# KiCad board radioboard_original.kicad_pcb (continued)
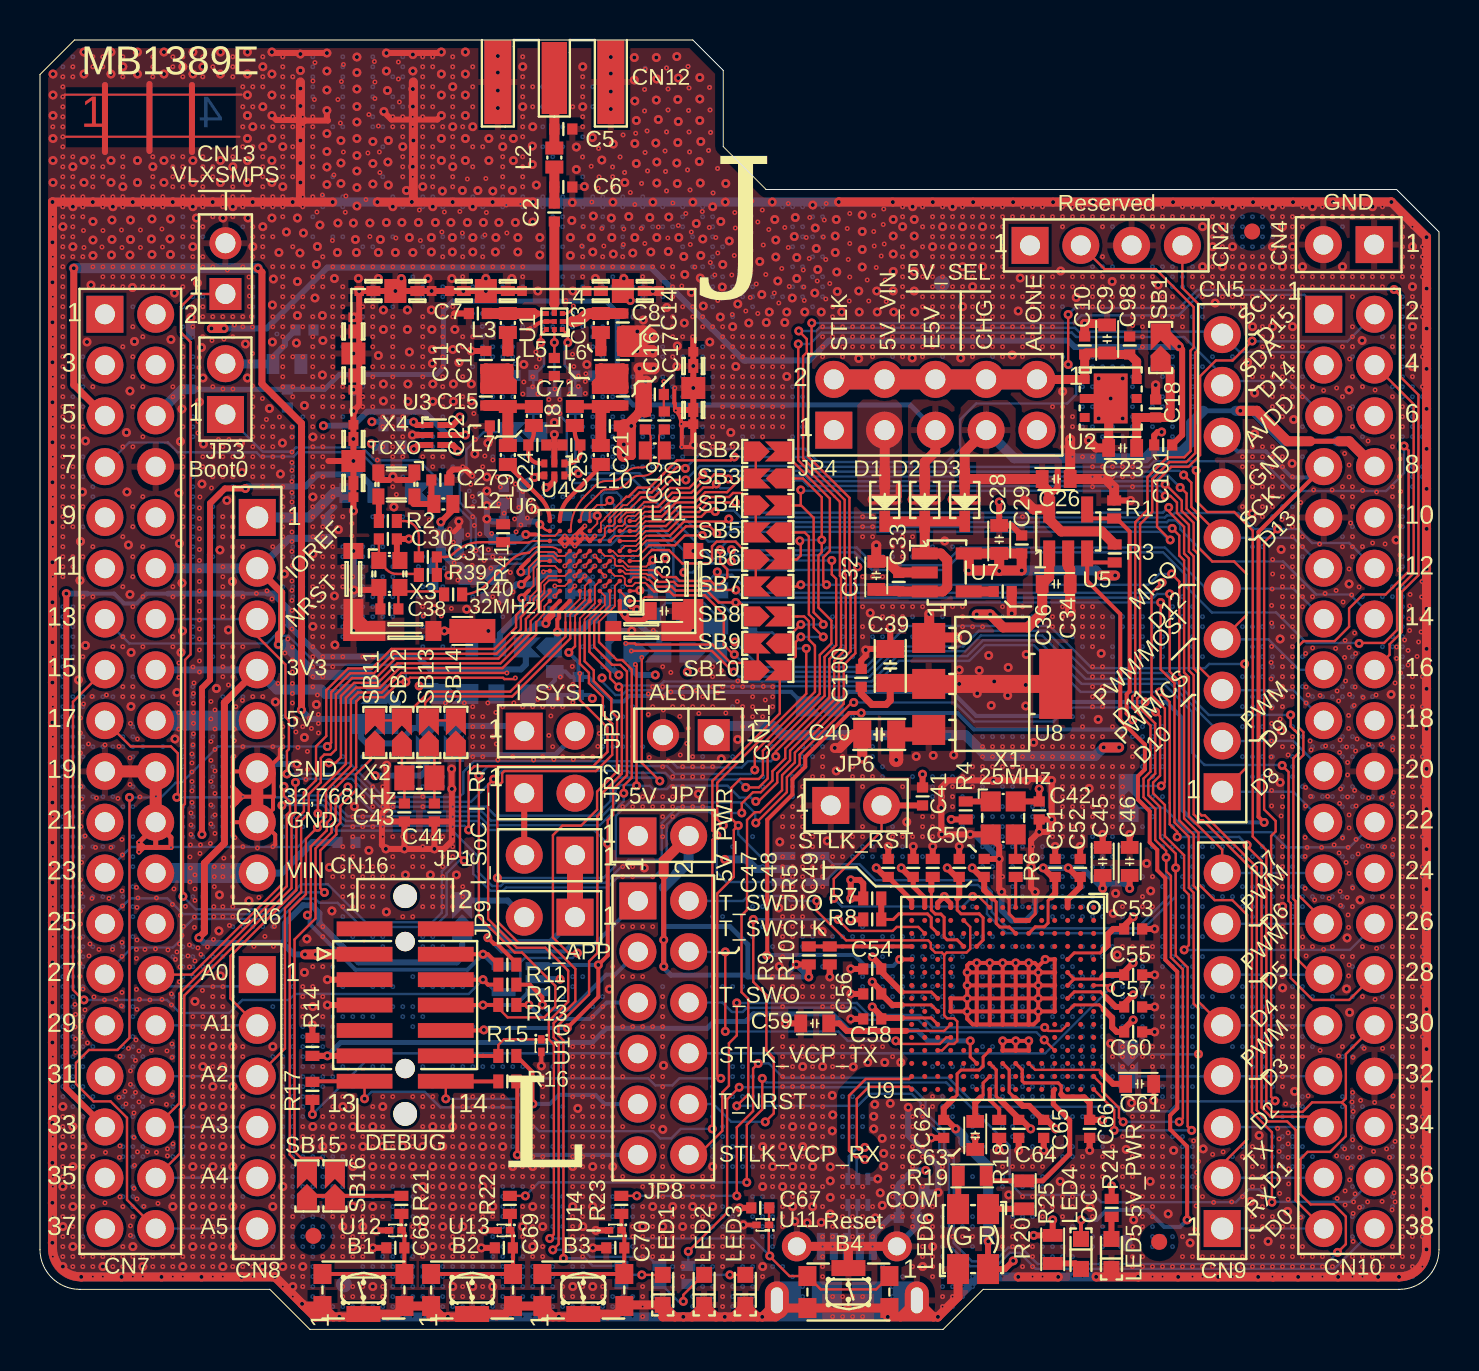
[diagram p0: board, top side]
## Routing (per net, layer and track width the routed paths; a pad name or vN(x,y) marks a point on that pad's centre or on a via; arc(x,y) is an arc through that point) (continued)
v3(1.64,7.64) v3(1.64,7.14) v3(1.64,6.64) v3(1.64,5.64) v3(1.64,5.14) v3(1.64,4.64) v3(1.64,3.64) v3(1.64,3.14) v3(2.14,56.64) v3(2.14,56.14) v3(2.14,55.64) v3(2.14,53.64) v3(2.14,48.64) v3(2.14,47.64) v3(2.14,47.14) v3(2.14,46.64) v3(2.14,46.14) v3(2.14,45.14) v3(2.14,43.64) v3(2.14,42.64) v3(2.14,41.14) v3(2.14,40.14) v3(2.14,38.64) v3(2.14,36.14) v3(2.14,33.64) v3(2.14,31.64) v3(2.14,31.14) v3(2.14,29.64) v3(2.14,29.14) v3(2.14,28.64) v3(2.14,27.14) v3(2.14,26.64) v3(2.14,26.14) v3(2.14,24.64) v3(2.14,24.14) v3(2.14,23.64) v3(2.14,22.14) v3(2.14,21.64) v3(2.14,21.14) v3(2.14,19.64) v3(2.14,19.14) v3(2.14,18.64) v3(2.14,18.14) v3(2.14,17.14) v3(2.14,15.64) v3(2.14,14.64) v3(2.14,14.14) v3(2.14,13.64) v3(2.14,13.14) v3(2.14,12.14) v3(2.14,11.64) v3(2.14,11.14) v3(2.14,10.64) v3(2.14,9.64) v3(2.14,8.64) v3(2.14,8.14) v3(2.14,7.14) v3(2.14,6.64) v3(2.14,6.14) v3(2.14,5.64) v3(2.14,4.64) v3(2.14,4.14) v3(2.14,3.64) v3(2.14,3.14) v3(2.64,63.64) v3(2.64,63.14) v3(2.64,58.64) v3(2.64,58.14) v3(2.64,57.64) v3(2.64,57.14) v3(2.64,47.14) v3(2.64,42.14) v3(2.64,41.64) v3(2.64,39.14) v3(2.64,31.64) v3(2.64,29.14) v3(2.64,26.64) v3(2.64,24.14) v3(2.64,21.64) v3(2.64,19.14) v3(2.64,14.14) v3(2.64,11.64) v3(2.64,11.14) v3(2.64,8.64) v3(2.64,6.14) v3(2.64,3.64) v3(2.64,3.14) v3(2.64,2.64) v3(3.14,63.64) v3(3.14,63.14) v3(3.14,58.14) v3(3.14,57.64) v3(3.14,56.64) v3(3.14,56.14) v3(3.14,52.14) v3(3.14,31.64) v3(3.14,29.14) v3(3.14,26.64) v3(3.14,24.14) v3(3.14,21.64) v3(3.14,3.64) v3(3.14,2.64) v3(3.64,56.64) v3(3.64,52.14) v3(3.64,34.14) v3(3.64,31.64) v3(3.64,29.14) v3(3.64,26.64) v3(3.64,24.14) v3(3.64,21.64) v3(3.64,19.14) v3(3.64,3.64) v3(3.64,3.14) v3(4.14,63.64) v3(4.14,62.64) v3(4.14,58.64) v3(4.14,58.14) v3(4.14,57.64) v3(4.14,56.64) v3(4.14,56.14) v3(4.14,52.14) v3(4.14,49.14) v3(4.14,39.64) v3(4.14,37.14) v3(4.14,34.14) v3(4.14,32.14) v3(4.14,31.64) v3(4.14,29.64) v3(4.14,29.14) v3(4.14,26.14) v3(4.14,21.64) v3(4.14,19.14) v3(4.14,16.14) v3(4.14,14.14) v3(4.14,13.64) v3(4.14,11.64) v3(4.14,11.14) v3(4.14,9.14) v3(4.14,8.64) v3(4.14,6.64) v3(4.14,6.14) v3(4.14,4.14) v3(4.14,3.64) v3(4.14,3.14) v3(4.64,51.14) v3(4.64,50.14) v3(4.64,48.64) v3(4.64,47.64) v3(4.64,46.14) v3(4.64,41.14) v3(4.64,40.14) v3(4.64,38.64) v3(4.64,37.64) v3(4.64,32.64) v3(4.64,32.14) v3(4.64,31.64) v3(4.64,30.14) v3(4.64,29.64) v3(4.64,29.14) v3(4.64,28.64) v3(4.64,27.14) v3(4.64,26.14) v3(4.64,24.64) v3(4.64,23.64) v3(4.64,23.14) v3(4.64,22.14) v3(4.64,21.14) v3(4.64,20.64) v3(4.64,19.64) v3(4.64,16.14) v3(4.64,15.64) v3(4.64,14.64) v3(4.64,14.14) v3(4.64,13.64) v3(4.64,13.14) v3(4.64,12.14) v3(4.64,11.64) v3(4.64,11.14) v3(4.64,10.64) v3(4.64,9.64) v3(4.64,9.14) v3(4.64,8.64) v3(4.64,8.14) v3(4.64,7.14) v3(4.64,6.64) v3(4.64,6.14) v3(4.64,5.64) v3(4.64,4.64) v3(4.64,3.64) v3(4.64,3.14) v3(4.64,2.64) v3(5.14,56.64) v3(5.14,56.14) v3(5.14,52.14) v3(5.14,49.64) v3(5.14,47.14) v3(5.14,41.64) v3(5.14,39.14) v3(5.14,31.64) v3(5.14,29.14) v3(5.14,14.14) v3(5.14,13.64) v3(5.14,11.64) v3(5.14,11.14) v3(5.14,9.14) v3(5.14,8.64) v3(5.14,6.14) v3(5.14,3.64) v3(5.14,2.64) v3(5.64,63.64) v3(5.64,63.14) v3(5.64,62.64) v3(5.64,58.64) v3(5.64,57.64) v3(5.64,57.14) v3(5.64,56.64) v3(5.64,56.14) v3(5.64,52.14) v3(5.64,31.64) v3(5.64,3.64) v3(5.64,3.14) v3(6.14,56.64) v3(6.14,56.14) v3(6.14,52.14) v3(6.14,31.64) v3(6.14,29.14) v3(6.14,3.64) v3(6.14,3.14) v3(6.64,63.64) v3(6.64,63.14) v3(6.64,58.64) v3(6.64,58.14) v3(6.64,57.64) v3(6.64,57.14) v3(6.64,39.64) v3(6.64,34.64) v3(6.64,18.64) v3(6.64,16.64) v3(6.64,14.14) v3(6.64,13.64) v3(6.64,11.64) v3(6.64,11.14) v3(6.64,9.14) v3(6.64,8.64) v3(6.64,6.64) v3(6.64,4.14) v3(6.64,3.64) v3(6.64,3.14) v3(6.64,2.64) v3(7.14,63.64) v3(7.14,62.64) v3(7.14,58.64) v3(7.14,58.14) v3(7.14,57.64) v3(7.14,57.14) v3(7.14,56.64) v3(7.14,56.14) v3(7.14,55.64) v3(7.14,55.14) v3(7.14,54.64) v3(7.14,54.14) v3(7.14,53.64) v3(7.14,52.14) v3(7.14,51.14) v3(7.14,50.14) v3(7.14,49.64) v3(7.14,49.14) v3(7.14,48.64) v3(7.14,48.14) v3(7.14,47.64) v3(7.14,45.14) v3(7.14,43.14) v3(7.14,42.64) v3(7.14,41.14) v3(7.14,40.64) v3(7.14,40.14) v3(7.14,38.64) v3(7.14,29.14) v3(7.14,28.64) v3(7.14,28.14) v3(7.14,26.14) v3(7.14,25.64) v3(7.14,25.14) v3(7.14,24.64) v3(7.14,19.14) v3(7.14,18.64) v3(7.14,18.14) v3(7.14,17.64) v3(7.14,16.64) v3(7.14,16.14) v3(7.14,14.64) v3(7.14,14.14) v3(7.14,13.64) v3(7.14,13.14) v3(7.14,12.14) v3(7.14,11.64) v3(7.14,11.14) v3(7.14,10.64) v3(7.14,9.64) v3(7.14,9.14) v3(7.14,8.64) v3(7.14,8.14) v3(7.14,7.14) v3(7.14,6.64) v3(7.14,6.14) v3(7.14,5.64) v3(7.14,4.64) v3(7.14,4.14) v3(7.14,3.64) v3(7.14,2.64) v3(7.64,56.64) v3(7.64,55.14) v3(7.64,54.64) v3(7.64,53.64) v3(7.64,51.64) v3(7.64,51.14) v3(7.64,50.14) v3(7.64,49.64) v3(7.64,48.64) v3(7.64,48.14) v3(7.64,47.64) v3(7.64,45.64) v3(7.64,45.14) v3(7.64,44.64) v3(7.64,43.14) v3(7.64,42.64) v3(7.64,42.14) v3(7.64,41.64) v3(7.64,41.14) v3(7.64,40.64) v3(7.64,40.14) v3(7.64,39.64) v3(7.64,39.14) v3(7.64,38.64) v3(7.64,35.14) v3(7.64,34.64) v3(7.64,32.14) v3(7.64,31.64) v3(7.64,29.64) v3(7.64,29.14) v3(7.64,28.64) v3(7.64,27.14) v3(7.64,26.14) v3(7.64,25.64) v3(7.64,25.14) v3(7.64,24.64) v3(7.64,21.64) v3(7.64,19.14) v3(7.64,18.64) v3(7.64,18.14) v3(7.64,17.64) v3(7.64,14.64) v3(7.64,14.14) v3(7.64,13.64) v3(7.64,13.14) v3(7.64,12.14) v3(7.64,11.64) v3(7.64,11.14) v3(7.64,10.64) v3(7.64,9.64) v3(7.64,9.14) v3(7.64,8.64) v3(7.64,7.14) v3(7.64,6.64) v3(7.64,5.64) v3(7.64,4.64) v3(7.64,3.64) v3(7.64,3.14) v3(8.14,63.64) v3(8.14,62.64) v3(8.14,58.64) v3(8.14,58.14) v3(8.14,57.64) v3(8.14,57.14) v3(8.14,56.64) v3(8.14,56.14) v3(8.14,55.14) v3(8.14,54.64) v3(8.14,53.64) v3(8.14,51.64) v3(8.14,51.14) v3(8.14,50.64) v3(8.14,49.64) v3(8.14,43.14) v3(8.14,32.14) v3(8.14,31.64) v3(8.14,29.64) v3(8.14,29.14) v3(8.14,27.64) v3(8.14,27.14) v3(8.14,26.14) v3(8.14,25.64) v3(8.14,21.64) v3(8.14,20.14) v3(8.14,18.64) v3(8.14,18.14) v3(8.14,17.64) v3(8.14,16.14) v3(8.14,14.64) v3(8.14,14.14) v3(8.14,13.64) v3(8.14,12.14) v3(8.14,11.64) v3(8.14,10.64) v3(8.14,9.64) v3(8.14,8.64) v3(8.14,8.14) v3(8.14,7.14) v3(8.14,6.64) v3(8.14,6.14) v3(8.14,5.64) v3(8.14,4.64) v3(8.14,4.14) v3(8.14,3.64) v3(8.14,3.14) v3(8.64,63.14) v3(8.64,58.14) v3(8.64,57.64) v3(8.64,55.64) v3(8.64,50.64) v3(8.64,43.14) v3(8.64,42.64) v3(8.64,41.14) v3(8.64,40.64) v3(8.64,40.14) v3(8.64,39.64) v3(8.64,38.64) v3(8.64,35.14) v3(8.64,34.64) v3(8.64,33.64) v3(8.64,29.64) v3(8.64,28.14) v3(8.64,27.64) v3(8.64,27.14) v3(8.64,26.14) v3(8.64,25.64) v3(8.64,25.14) v3(8.64,18.64) v3(8.64,18.14) v3(8.64,16.64) v3(8.64,16.14) v3(8.64,14.64) v3(8.64,13.64) v3(8.64,13.14) v3(8.64,11.64) v3(8.64,11.14) v3(8.64,10.64) v3(8.64,9.64) v3(8.64,9.14) v3(8.64,8.64) v3(8.64,7.14) v3(8.64,6.64) v3(8.64,5.64) v3(8.64,4.64) v3(8.64,3.64) v3(8.64,3.14) v3(8.64,2.64) v3(9.14,56.64) v3(9.14,56.14) v3(9.14,50.64) v3(9.14,40.64) v3(9.14,40.14) v3(9.14,39.64) v3(9.14,33.64) v3(9.14,31.64) v3(9.14,29.64) v3(9.14,28.64) v3(9.14,28.14) v3(9.14,27.64) v3(9.14,27.14) v3(9.14,26.14) v3(9.14,25.64) v3(9.14,25.14) v3(9.14,24.64) v3(9.14,18.64) v3(9.14,18.14) v3(9.14,16.64) v3(9.14,16.14) v3(9.14,14.64) v3(9.14,14.14) v3(9.14,13.64) v3(9.14,12.14) v3(9.14,11.64) v3(9.14,10.64) v3(9.14,9.64) v3(9.14,8.64) v3(9.14,8.14) v3(9.14,7.14) v3(9.14,6.64) v3(9.14,6.14) v3(9.14,5.64) v3(9.14,4.64) v3(9.14,4.14) v3(9.14,3.64) v3(9.14,2.64) v3(9.64,63.64) v3(9.64,63.14) v3(9.64,62.64) v3(9.64,58.64) v3(9.64,57.64) v3(9.64,57.14) v3(9.64,56.64) v3(9.64,55.64) v3(9.64,50.64) v3(9.64,42.64) v3(9.64,42.14) v3(9.64,40.64) v3(9.64,40.14) v3(9.64,39.64) v3(9.64,39.14) v3(9.64,38.64) v3(9.64,33.64) v3(9.64,32.14) v3(9.64,31.64) v3(9.64,29.64) v3(9.64,28.64) v3(9.64,24.64) v3(9.64,21.64) v3(9.64,20.14) v3(9.64,18.64) v3(9.64,18.14) v3(9.64,17.64) v3(9.64,16.64) v3(9.64,14.64) v3(9.64,13.64) v3(9.64,13.14) v3(9.64,11.64) v3(9.64,11.14) v3(9.64,10.64) v3(9.64,9.64) v3(9.64,9.14) v3(9.64,8.64) v3(9.64,7.14) v3(9.64,6.64) v3(9.64,5.64) v3(9.64,4.64) v3(9.64,3.64) v3(9.64,3.14) v3(10.14,62.14) v3(10.14,61.14) v3(10.14,60.14) v3(10.14,59.14) v3(10.14,56.64) v3(10.14,56.14) v3(10.14,55.14) v3(10.14,50.64) v3(10.14,39.14) v3(10.14,31.64) v3(10.14,20.14) v3(10.14,14.14) v3(10.14,13.64) v3(10.14,11.64) v3(10.14,11.14) v3(10.14,9.14) v3(10.14,8.64) v3(10.14,6.64) v3(10.14,6.14) v3(10.14,3.64) v3(10.14,3.14) v3(10.64,62.14) v3(10.64,61.14) v3(10.64,59.14) v3(10.64,55.14) v3(10.64,54.64) v3(10.64,53.64) v3(10.64,52.14) v3(10.64,51.64) v3(10.64,51.14) v3(10.64,50.64) v3(10.64,43.14) v3(10.64,42.64) v3(10.64,31.64) v3(10.64,20.14) v3(10.64,3.64) v3(10.64,3.14) v3(10.64,2.64) v3(11.14,63.64) v3(11.14,62.64) v3(11.14,62.14) v3(11.14,60.14) v3(11.14,58.64) v3(11.14,58.14) v3(11.14,57.64) v3(11.14,57.14) v3(11.14,56.64) v3(11.14,56.14) v3(11.14,54.64) v3(11.14,54.14) v3(11.14,53.64) v3(11.14,52.14) v3(11.14,51.64) v3(11.14,51.14) v3(11.14,50.64) v3(11.14,43.14) v3(11.14,42.64) v3(11.14,31.64) v3(11.14,20.14) v3(11.14,3.64) v3(11.14,2.64) v3(11.64,60.14) v3(11.64,56.64) v3(11.64,56.14) v3(11.64,54.64) v3(11.64,53.14) v3(11.64,46.64) v3(11.64,45.14) v3(11.64,44.64) v3(11.64,43.14) v3(11.64,20.14) v3(11.64,16.14) v3(11.64,13.64) v3(11.64,11.64) v3(11.64,11.14) v3(11.64,9.14) v3(11.64,8.64) v3(11.64,6.64) v3(11.64,4.14) v3(11.64,3.64) v3(11.64,3.14) v3(11.85,49.77) v3(12.14,63.64) v3(12.14,63.14) v3(12.14,62.64) v3(12.14,62.14) v3(12.14,61.64) v3(12.14,61.14) v3(12.14,60.64) v3(12.14,60.14) v3(12.14,59.64) v3(12.14,58.64) v3(12.14,58.14) v3(12.14,57.64) v3(12.14,56.64) v3(12.14,56.14) v3(12.14,55.64) v3(12.14,53.14) v3(12.14,52.64) v3(12.14,52.14) v3(12.14,51.64) v3(12.14,50.14) v3(12.14,45.14) v3(12.14,41.64) v3(12.14,41.14) v3(12.14,38.64) v3(12.14,37.14) v3(12.14,30.64) v3(12.14,28.64) v3(12.14,25.64) v3(12.14,25.14) v3(12.14,24.64) v3(12.14,18.64) v3(12.14,18.14) v3(12.14,17.64) v3(12.14,17.14) v3(12.14,16.14) v3(12.14,15.64) v3(12.14,15.14) v3(12.14,14.64) v3(12.14,14.14) v3(12.14,13.64) v3(12.14,13.14) v3(12.14,12.64) v3(12.14,12.14) v3(12.14,11.64) v3(12.14,11.14) v3(12.14,10.64) v3(12.14,10.14) v3(12.14,9.64) v3(12.14,9.14) v3(12.14,8.64) v3(12.14,8.14) v3(12.14,7.64) v3(12.14,6.64) v3(12.14,6.14) v3(12.14,5.64) v3(12.14,5.14) v3(12.14,4.64) v3(12.14,4.14) v3(12.14,3.64) v3(12.14,2.14) v3(12.64,62.64) v3(12.64,61.64) v3(12.64,60.64) v3(12.64,60.14) v3(12.64,59.14) v3(12.64,58.64) v3(12.64,57.64) v3(12.64,54.14) v3(12.64,53.14) v3(12.64,45.14) v3(12.64,44.64) v3(12.64,43.14) v3(12.64,42.64) v3(12.64,41.64) v3(12.64,41.14) v3(12.64,39.14) v3(12.64,38.64) v3(12.64,38.14) v3(12.64,37.14) v3(12.64,36.64) v3(12.64,30.14) v3(12.64,25.64) v3(12.64,25.14) v3(12.64,24.64) v3(12.64,18.14) v3(12.64,17.64) v3(12.64,17.14) v3(12.64,16.14) v3(12.64,15.64) v3(12.64,15.14) v3(12.64,14.64) v3(12.64,14.14) v3(12.64,13.64) v3(12.64,13.14) v3(12.64,12.64) v3(12.64,12.14) v3(12.64,11.64) v3(12.64,11.14) v3(12.64,10.64) v3(12.64,10.14) v3(12.64,9.64) v3(12.64,9.14) v3(12.64,8.64) v3(12.64,8.14) v3(12.64,7.64) v3(12.64,7.14) v3(12.64,6.64) v3(12.64,6.14) v3(12.64,5.64) v3(12.64,5.14) v3(12.64,4.64) v3(12.64,4.14) v3(12.64,3.64) v3(12.64,3.14) v3(12.64,2.64) v3(12.64,1.64) v3(13.14,60.64) v3(13.14,60.14) v3(13.14,56.64) v3(13.14,56.14) v3(13.14,53.14) v3(13.14,51.14) v3(13.14,45.64) v3(13.14,45.14) v3(13.14,44.64) v3(13.14,43.14) v3(13.14,42.64) v3(13.14,41.64) v3(13.14,41.14) v3(13.14,39.14) v3(13.14,38.64) v3(13.14,38.14) v3(13.14,37.64) v3(13.14,37.14) v3(13.14,36.64) v3(13.14,36.14) v3(13.14,35.64) v3(13.14,35.14) v3(13.14,30.14) v3(13.14,25.64) v3(13.14,25.14) v3(13.14,17.14) v3(13.14,16.14) v3(13.14,15.64) v3(13.14,15.14) v3(13.14,14.64) v3(13.14,14.14) v3(13.14,13.64) v3(13.14,13.14) v3(13.14,12.64) v3(13.14,12.14) v3(13.14,11.64) v3(13.14,11.14) v3(13.14,10.64) v3(13.14,10.14) v3(13.14,9.64) v3(13.14,9.14) v3(13.14,8.64) v3(13.14,8.14) v3(13.14,7.64) v3(13.14,7.14) v3(13.14,6.64) v3(13.14,6.14) v3(13.14,5.64) v3(13.14,5.14) v3(13.14,4.64) v3(13.14,4.14) v3(13.14,3.64) v3(13.14,2.64) v3(13.14,2.14) v3(13.64,63.64) v3(13.64,63.14) v3(13.64,62.64) v3(13.64,62.14) v3(13.64,61.64) v3(13.64,61.14) v3(13.64,60.64) v3(13.64,60.14) v3(13.64,59.64) v3(13.64,59.14) v3(13.64,58.64) v3(13.64,58.14) v3(13.64,57.64) v3(13.64,56.64) v3(13.64,55.64) v3(13.64,54.64) v3(13.64,50.64) v3(13.64,49.14) v3(13.64,47.64) v3(13.64,46.64) v3(13.64,45.64) v3(13.64,45.14) v3(13.64,43.14) v3(13.64,38.14) v3(13.64,37.64) v3(13.64,37.14) v3(13.64,36.64) v3(13.64,36.14) v3(13.64,35.64) v3(13.64,34.64) v3(13.64,18.14) v3(13.64,17.14) v3(13.64,14.64) v3(13.64,14.14) v3(13.64,13.64) v3(13.64,13.14) v3(13.64,12.64) v3(13.64,12.14) v3(13.64,11.64) v3(13.64,9.64) v3(13.64,9.14) v3(13.64,8.64) v3(13.64,8.14) v3(13.64,7.64) v3(13.64,7.14) v3(13.64,6.64) v3(13.64,6.14) v3(13.64,5.64) v3(13.64,5.14) v3(13.64,4.64) v3(13.64,4.14) v3(13.64,3.64) v3(13.64,3.14) v3(13.64,2.64) v3(13.64,2.14) v3(13.64,1.64) v3(13.64,1.14) v3(13.64,0.64) v3(14.14,56.64) v3(14.14,56.14) v3(14.14,53.64) v3(14.14,52.14) v3(14.14,46.64) v3(14.14,46.14) v3(14.14,18.14) v3(14.14,15.64) v3(14.14,15.14) v3(14.14,14.64) v3(14.14,14.14) v3(14.14,13.14) v3(14.14,12.64) v3(14.14,12.14) v3(14.14,10.64) v3(14.14,10.14) v3(14.14,9.64) v3(14.14,8.64) v3(14.14,8.14) v3(14.14,7.64) v3(14.14,7.14) v3(14.14,6.64) v3(14.14,6.14) v3(14.14,5.64) v3(14.14,5.14) v3(14.14,4.64) v3(14.14,4.14) v3(14.14,3.64) v3(14.14,3.14) v3(14.14,2.64) v3(14.14,2.14) v3(14.14,1.64) v3(14.14,1.14) v3(14.14,0.64) v3(14.64,60.14) v3(14.64,57.64) v3(14.64,54.64) v3(14.64,51.64) v3(14.64,51.14) v3(14.64,50.64) v3(14.64,50.14) v3(14.64,49.64) v3(14.64,49.14) v3(14.64,46.64) v3(14.64,46.14) v3(14.64,45.64) v3(14.64,44.64) v3(14.64,38.64) v3(14.64,38.14) v3(14.64,37.64) v3(14.64,37.14) v3(14.64,36.14) v3(14.64,35.64) v3(14.64,35.14) v3(14.64,27.14) v3(14.64,18.14) v3(14.64,15.64) v3(14.64,15.14) v3(14.64,14.64) v3(14.64,13.14) v3(14.64,12.64) v3(14.64,11.14) v3(14.64,10.64) v3(14.64,9.64) v3(14.64,9.14) v3(14.64,8.64) v3(14.64,8.14) v3(14.64,7.64) v3(14.64,7.14) v3(14.64,6.64) v3(14.64,6.14) v3(14.64,5.64) v3(14.64,5.14) v3(14.64,4.64) v3(14.64,4.14) v3(14.64,3.64) v3(14.64,1.14) v3(15.14,63.64) v3(15.14,63.14) v3(15.14,62.64) v3(15.14,62.14) v3(15.14,61.64) v3(15.14,61.14) v3(15.14,60.64) v3(15.14,60.14) v3(15.14,56.64) v3(15.14,56.14) v3(15.14,54.64) v3(15.14,52.14) v3(15.14,51.64) v3(15.14,51.14) v3(15.14,50.64) v3(15.14,50.14) v3(15.14,49.64) v3(15.14,49.14) v3(15.14,47.14) v3(15.14,46.64) v3(15.14,46.14) v3(15.14,45.64) v3(15.14,40.64) v3(15.14,39.14) v3(15.14,38.64) v3(15.14,38.14) v3(15.14,37.64) v3(15.14,37.14) v3(15.14,36.14) v3(15.14,35.64) v3(15.14,35.14) v3(15.14,34.64) v3(15.14,28.64) v3(15.14,26.64) v3(15.14,23.64) v3(15.14,23.14) v3(15.14,22.64) v3(15.14,20.64) v3(15.14,20.14) v3(15.14,17.14) v3(15.14,16.14) v3(15.14,15.64) v3(15.14,15.14) v3(15.14,13.64) v3(15.14,13.14) v3(15.14,11.64) v3(15.14,10.64) v3(15.14,10.14) v3(15.14,9.64) v3(15.14,8.64) v3(15.14,8.14) v3(15.14,7.64) v3(15.14,7.14) v3(15.14,6.64) v3(15.14,6.14) v3(15.14,5.64) v3(15.14,4.64) v3(15.14,4.14) v3(15.14,3.64) v3(15.14,1.14) v3(15.64,37.64) v3(15.64,36.14) v3(15.64,35.64) v3(15.64,23.14) v3(15.64,22.64) v3(15.64,22.14) v3(15.64,20.14) v3(15.64,19.64) v3(15.64,16.14) v3(15.64,15.64) v3(15.64,15.14) v3(15.64,13.64) v3(15.64,12.14) v3(15.64,11.64) v3(15.64,11.14) v3(15.64,10.64) v3(15.64,9.64) v3(15.64,9.14) v3(15.64,8.64) v3(15.64,7.64) v3(15.64,7.14) v3(15.64,6.64) v3(15.64,5.64) v3(15.64,5.14) v3(15.64,4.64) v3(15.64,3.64) v3(15.64,1.14) v3(15.64,0.64) v3(16.14,54.14) v3(16.14,51.14) v3(16.14,50.64) v3(16.14,50.14) v3(16.14,49.64) v3(16.14,49.14) v3(16.14,47.14) v3(16.14,46.64) v3(16.14,44.64) v3(16.14,43.14) v3(16.14,39.14) v3(16.14,38.64) v3(16.14,38.14) v3(16.14,37.64) v3(16.14,37.14) v3(16.14,36.64) v3(16.14,36.14) v3(16.14,35.64) v3(16.14,28.64) v3(16.14,28.14) v3(16.14,22.64) v3(16.14,22.14) v3(16.14,21.64) v3(16.14,17.64) v3(16.14,16.14) v3(16.14,15.64) v3(16.14,15.14) v3(16.14,12.64) v3(16.14,12.14) v3(16.14,10.64) v3(16.14,10.14) v3(16.14,9.64) v3(16.14,8.64) v3(16.14,8.14) v3(16.14,7.64) v3(16.14,7.14) v3(16.14,6.64) v3(16.14,6.14) v3(16.14,5.64) v3(16.14,4.64) v3(16.14,4.14) v3(16.14,3.64) v3(16.14,3.14) v3(16.14,1.64) v3(16.14,1.14) v3(16.14,0.64) v3(16.64,63.64) v3(16.64,63.14) v3(16.64,62.64) v3(16.64,62.14) v3(16.64,61.64) v3(16.64,61.14) v3(16.64,60.64) v3(16.64,60.14) v3(16.64,54.14) v3(16.64,52.14) v3(16.64,51.64) v3(16.64,51.14) v3(16.64,50.64) v3(16.64,50.14) v3(16.64,49.64) v3(16.64,47.14) v3(16.64,46.64) v3(16.64,40.64) v3(16.64,39.14) v3(16.64,38.64) v3(16.64,38.14) v3(16.64,37.64) v3(16.64,37.14) v3(16.64,36.64) v3(16.64,36.14) v3(16.64,35.64) v3(16.64,28.64) v3(16.64,22.64) v3(16.64,22.14) v3(16.64,21.64) v3(16.64,21.14) v3(16.64,19.64) v3(16.64,17.64) v3(16.64,17.14) v3(16.64,15.64) v3(16.64,15.14) v3(16.64,13.14) v3(16.64,12.64) v3(16.64,11.14) v3(16.64,10.64) v3(16.64,9.64) v3(16.64,9.14) v3(16.64,8.64) v3(16.64,7.64) v3(16.64,7.14) v3(16.64,6.64) v3(16.64,5.64) v3(16.64,3.14) v3(16.64,2.64) v3(16.64,1.64) v3(16.64,1.14) v3(16.64,0.64) v3(17.14,60.14) v3(17.14,59.14) v3(17.14,57.64) v3(17.14,42.64) v3(17.14,40.64) v3(17.14,39.14) v3(17.14,38.64) v3(17.14,38.14) v3(17.14,37.64) v3(17.14,37.14) v3(17.14,36.64) v3(17.14,36.14) v3(17.14,35.64) v3(17.14,22.64) v3(17.14,22.14) v3(17.14,21.64) v3(17.14,19.64) v3(17.14,19.14) v3(17.14,17.64) v3(17.14,17.14) v3(17.14,15.14) v3(17.14,13.14) v3(17.14,12.64) v3(17.14,10.64) v3(17.14,10.14) v3(17.14,9.64) v3(17.14,8.64) v3(17.14,8.14) v3(17.14,7.64) v3(17.14,7.14) v3(17.14,6.64) v3(17.14,6.14) v3(17.14,5.64) v3(17.14,4.14) v3(17.14,3.64) v3(17.14,3.14) v3(17.14,2.64) v3(17.14,2.14) v3(17.14,1.64) v3(17.14,1.14) v3(17.14,0.64) v3(17.64,62.64) v3(17.64,61.64) v3(17.64,61.14) v3(17.64,60.64) v3(17.64,60.14) v3(17.64,56.64) v3(17.64,54.64) v3(17.64,51.14) v3(17.64,50.64) v3(17.64,50.14) v3(17.64,49.64) v3(17.64,49.14) v3(17.64,48.64) v3(17.64,48.14) v3(17.64,47.14) v3(17.64,46.64) v3(17.64,38.64) v3(17.64,38.14) v3(17.64,37.64) v3(17.64,37.14) v3(17.64,36.64) v3(17.64,36.14) v3(17.64,35.64) v3(17.64,28.64) v3(17.64,22.64) v3(17.64,17.14) v3(17.64,16.14) v3(17.64,9.64) v3(17.64,9.14) v3(17.64,8.64) v3(17.64,7.64) v3(17.64,7.14) v3(17.64,6.64) v3(17.64,6.14) v3(17.64,5.64) v3(17.64,5.14) v3(17.64,4.64) v3(17.64,4.14) v3(17.64,3.64) v3(17.64,3.14) v3(17.64,2.64) v3(17.64,2.14) v3(17.64,1.64) v3(17.64,1.14) v3(17.64,0.64) v3(18.14,63.64) v3(18.14,63.14) v3(18.14,62.64) v3(18.14,62.14) v3(18.14,61.64) v3(18.14,61.14) v3(18.14,60.64) v3(18.14,60.14) v3(18.14,59.64) v3(18.14,58.64) v3(18.14,58.14) v3(18.14,57.64) v3(18.14,56.14) v3(18.14,42.64) v3(18.14,40.64) v3(18.14,28.64) v3(18.14,28.14) v3(18.14,27.14) v3(18.14,16.14) v3(18.14,15.64) v3(18.14,9.64) v3(18.14,8.64) v3(18.14,8.14) v3(18.14,7.64) v3(18.14,7.14) v3(18.14,6.64) v3(18.14,6.14) v3(18.14,5.64) v3(18.14,5.14) v3(18.14,4.64) v3(18.14,4.14) v3(18.14,3.64) v3(18.14,3.14) v3(18.14,2.64) v3(18.14,2.14) v3(18.14,1.64) v3(18.14,1.14) v3(18.14,0.64) v3(18.64,60.64) v3(18.64,60.14) v3(18.64,58.64) v3(18.64,57.64) v3(18.64,52.64) v3(18.64,28.14) v3(18.64,27.14) v3(18.64,17.64) v3(18.64,16.14) v3(18.64,15.64) v3(18.64,15.14) v3(18.64,9.64) v3(18.64,9.14) v3(18.64,8.64) v3(18.64,7.64) v3(18.64,7.14) v3(18.64,6.64) v3(18.64,6.14) v3(18.64,5.64) v3(18.64,5.14) v3(18.64,4.64) v3(18.64,4.14) v3(18.64,3.64) v3(18.64,3.14) v3(18.64,2.64) v3(18.64,2.14) v3(18.64,1.64) v3(18.64,1.14) v3(18.64,0.64) v3(18.92,38.15) v3(18.92,37.65) v3(18.92,36.65) v3(19.14,63.64) v3(19.14,63.14) v3(19.14,62.64) v3(19.14,62.14) v3(19.14,61.64) v3(19.14,61.14) v3(19.14,60.64) v3(19.14,60.14) v3(19.14,59.64) v3(19.14,59.14) v3(19.14,58.64) v3(19.14,58.14) v3(19.14,57.64) v3(19.14,56.64) v3(19.14,56.14) v3(19.14,54.14) v3(19.14,52.14) v3(19.14,51.64) v3(19.14,50.64) v3(19.14,50.14) v3(19.14,49.64) v3(19.14,48.64) v3(19.14,47.14) v3(19.14,46.64) v3(19.14,45.14) v3(19.14,44.64) v3(19.14,38.64) v3(19.14,37.14) v3(19.14,36.14) v3(19.14,35.64) v3(19.14,35.14) v3(19.14,34.64) v3(19.14,34.14) v3(19.14,27.14) v3(19.14,24.14) v3(19.14,22.14) v3(19.14,21.14) v3(19.14,19.64) v3(19.14,19.14) 